# KiCad board Wireless Video Glass.kicad_pcb (continued)
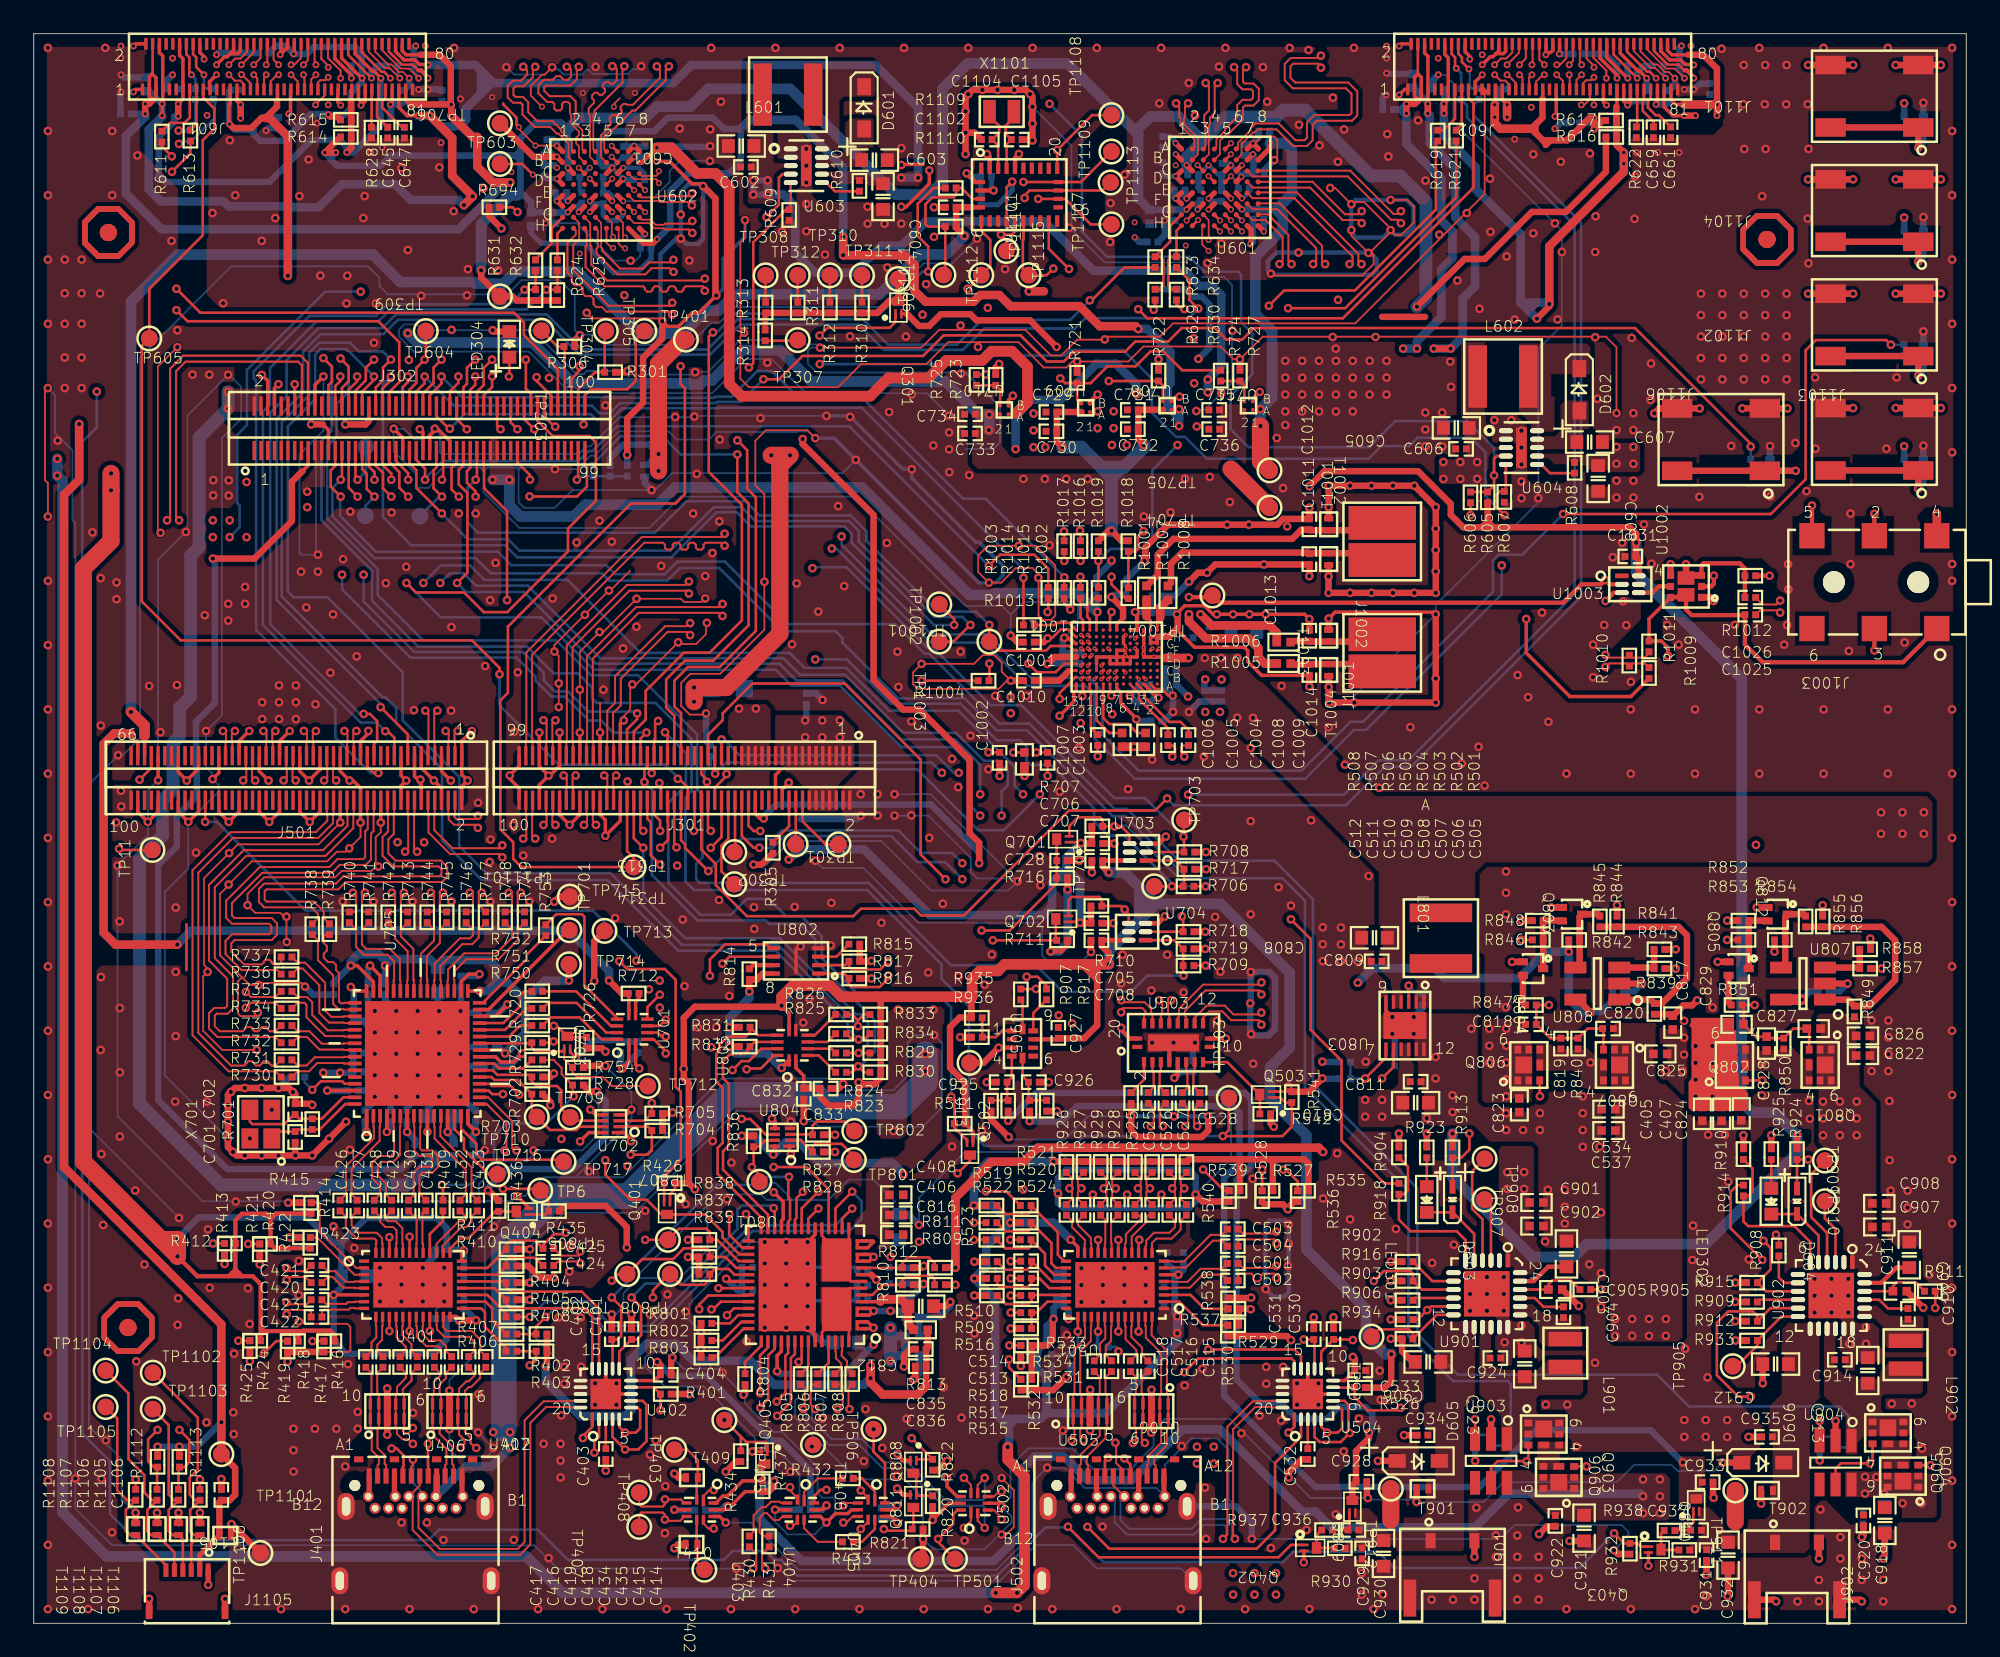
[diagram p0: board, top side]
## Routing (per net, layer and track width the routed paths; a pad name or vN(x,y) marks a point on that pad's centre or on a via; arc(x,y) is an arc through that point) (continued)
LT_VCC33: length 133
  TOP w0.203: U705.33 v1(26.43,37.48) ; v1(17.4,31.58) U705.62 ; U705.25 27.74,33.98 v1(27.94,33.78) ; U705.47 20.13,38.03 19.18,38.99 v1(18.8,38.99) ; v1(20.83,38.99) 20.93,38.88 U705.45 ; U702.8 32.91,29.09 v1(32.38,28.57) ; U701.1 35.28,33.28 v1(34.89,32.89)
  TOP w0.229: U705.16 25.73,29.61 v1(26.21,29.13) ; v1(22.13,29.13) U705.7
  TOP w0.254: v1(60.27,39.83) 60.9,39.83 61.28,40.21 R711.1
  TOP w0.381: R702.2 30.62,32.38 v1(30.84,32.6) ; v1(30.63,30.71) 30.63,30.91 R703.2 ; v1(61.28,43.5) R716.2 ; v1(31.72,38.1) TP714.1
  ART03 w0.508: v1(40.16,34.15) 40.78,33.53 41.6,33.53 42.96,34.89 45.9,34.89 48.12,37.11 50.82,37.11 52.28,38.57 52.28,39.1 52.88,39.7 53.4,39.7 55.74,42.03 58.07,42.03 v1(60.27,39.83) ; v1(26.43,37.48) 26.43,35.73 25.98,35.28 25.98,29.36 v1(26.21,29.13) 25.73,29.13 25.12,29.74 22.75,29.74 v1(22.13,29.13) 21.29,29.97 20.12,29.97 18.51,31.58 v1(17.4,31.58) ; v1(30.84,32.6) 30.46,32.97 28.75,32.97 v1(27.94,33.78)
  ART05 w0.508: v1(30.84,32.6) 30.84,30.92 v1(30.63,30.71) 32.38,28.95 v1(32.38,28.57) 31.92,28.1 31.92,26.57 32.42,26.07 35.15,26.07 40.16,31.07 v1(40.16,34.15)
  ART06 w0.508: v1(32.38,28.57) 32.38,28.95 v1(30.63,30.71) 30.84,30.92 v1(30.84,32.6) 30.84,33.27 32.26,34.7 34.56,34.7 34.89,34.37 v1(34.89,32.89)
  BOTTOM w0.381: v1(17.4,31.58) 17.41,31.57 C715.1 ; C711.1 26.03,28.96 v1(26.21,29.13) 26.19,29.16 C716.1 ; C703.1 35.82,33.82 v1(34.89,32.89) 34.8,32.99 C704.1 ; R714.1 22.61,28.66 v1(22.13,29.13) 22.12,29.14 C712.1 ; v1(27.94,33.78) 27.56,34.16 C710.1 ; C714.1 17.78,37.97 v1(18.8,38.99) ; C713.1 v1(20.83,38.99)
  BOTTOM w0.508: v1(27.94,33.78) 29.13,34.98 29.13,36.93 ; v1(26.43,37.48) 26.9,37.48 27.41,37.99 ; v1(31.72,38.1) 30.3,38.1 29.13,36.93 ; v1(61.28,43.5) 61.28,40.34 60.77,39.83 v1(60.27,39.83) ; 27.41,37.99 28.08,37.99 29.13,36.93 ; 27.41,37.99 27.41,38.91 27,39.32 24.39,39.32 C709.1 23.47,39.37 21.21,39.37 v1(20.83,38.99) 20.83,39.29 20.45,39.67 19.25,39.67 18.8,39.22 v1(18.8,38.99)
MICBIAS1: length 39.1
  TOP w0.152: U1001.C7 64.2,56.48 v2(64.09,56.37)
  TOP w0.203: R1009.2 94.67,54.94 91.06,54.94 88.47,57.53 v1(88.47,59.54)
  GND02 w0.254: v2(64.09,56.37) 64.21,56.37 64.66,56.82
  GND02 w0.305: 64.66,56.82 66.62,56.82 67.36,56.08 69.32,56.08 v1(69.44,55.96)
  ART03 w0.254: v1(88.47,59.54) 88.39,59.54 85.79,56.93 72.94,56.93 72.5,56.49 69.98,56.49 v1(69.44,55.96)
  BOTTOM w0.381: C1028.1 C1027.1 69.39,55.91 v1(69.44,55.96)
MICBIAS2: length 48
  TOP w0.152: U1001.C6 64.6,56.48 v2(64.71,56.37)
  TOP w0.254: R1012.2 v1(102.9,62.1)
  GND02 w0.254: v2(64.71,56.37) 64.99,56.37
  GND02 w0.305: 64.99,56.37 66.24,56.37 67.06,55.55 67.82,55.55 v1(68.43,54.94)
  ART03 w0.254: v1(68.43,54.94) 68.43,55.7 67.67,56.46 67.67,57.73 68.25,58.32 72.18,58.32 72.93,57.57 85.52,57.57 89.11,61.16 99.57,61.16 100.51,62.1 v1(102.9,62.1)
  BOTTOM w0.381: C1030.1 C1029.1 v1(68.43,54.94)
MICDET1/HPOUTFB2: length 65
  TOP w0.152: U1001.B13 61.75,56.08 60.81,55.14 v1(60.81,54.8)
  TOP w0.203: v1(96.88,57.35) 96.88,57.84 96.48,58.23 R1011.1 95.75,59.54 U1002.6
  TOP w0.254: U1002.6 97.04,60.83 97.41,60.83 97.54,60.97 U1002.7 97.94,60.1 98.27,59.77 101.41,59.77 C1025.2 101.43,58.03 102.49,56.97 110.81,56.97 J1003.1
  ART06 w0.203: v1(60.81,54.8) 60.87,54.8 61.91,55.83 64,55.83 65.15,56.99 65.68,56.99 67.69,58.99 92.42,58.99 92.88,58.53 95.7,58.53 v1(96.88,57.35)
MICVDD: length 2.7
  TOP w0.152: U1001.C13 61.41,56.48 61.37,56.44
  TOP w0.381: C1010.1 60.78,55.88 61.34,56.44 61.37,56.44
MIPI_CSI0_CLK_N: length 25.2
  TOP w0.114: v1(22.01,45.75) 22.2,45.93 22.2,47.96 22.17,47.99 J501.18 ; R734.2 14.33,36.79 12.87,36.79 v1(12.57,36.49)
  ART06 w0.114: v1(12.57,36.49) 12.57,36.67 12.46,36.79 11.9,36.79 11.44,37.25 11.44,42.92 12.91,44.39 21.63,44.39 22.2,44.96 22.2,45.56 v1(22.01,45.75)
MIPI_CSI0_CLK_P: length 25.1
  TOP w0.114: J501.16 22.57,47.99 22.54,47.96 22.54,45.93 v1(22.73,45.75) ; v1(12.57,37.43) 12.87,37.13 14.33,37.13 R735.2
  ART06 w0.114: v1(12.57,37.43) 12.57,37.24 12.46,37.13 12.05,37.13 11.79,37.39 11.79,38 11.9,38.12 11.93,38.12 12.04,38.23 12.04,38.46 11.93,38.57 11.9,38.57 11.79,38.69 11.79,38.92 11.9,39.03 11.93,39.03 12.04,39.15 12.04,39.37 11.93,39.49 11.9,39.49 11.79,39.6 11.79,42.78 13.05,44.04 21.77,44.04 22.54,44.82 22.54,45.56 v1(22.73,45.75)
MIPI_CSI0_LANE0_N: length 24
  TOP w0.114: J501.24 20.97,47.99 21,47.96 21,46.93 20.68,46.61 20.68,45.5 21.31,44.87 24,44.87 24.17,44.7 24.17,44.4 24.05,44.28 18.35,44.28 17.92,43.85 13.66,43.85 13.35,43.54 13.35,42.76 13.66,42.44 16.46,42.44 16.85,42.06 16.85,41.8 R738.2
MIPI_CSI0_LANE0_P: length 24
  TOP w0.114: J501.22 21.37,47.99 21.34,47.96 21.34,46.79 21.02,46.47 21.02,45.64 21.45,45.21 24.15,45.21 24.51,44.85 24.51,44.26 24.2,43.94 18.49,43.94 18.06,43.51 13.8,43.51 13.69,43.4 13.69,42.9 13.8,42.79 16.6,42.79 17.19,42.2 17.19,41.8 R739.2
MIPI_CSI0_LANE1_N: length 24.5
  TOP w0.114: R736.2 14.67,38.5 14.44,38.72 12.33,38.72 11.37,39.68 11.37,40.45 11.76,40.84 13.96,40.84 14.08,40.96 14.08,41.35 13.96,41.47 11.76,41.47 11.4,41.82 11.4,42.84 13.4,44.83 17.53,44.83 18,45.3 19.53,45.3 19.65,45.42 19.65,46.95 19.8,47.1 19.8,47.96 19.77,47.99 J501.30
MIPI_CSI0_LANE1_P: length 24.5
  TOP w0.114: J501.28 20.17,47.99 20.14,47.96 20.14,46.96 19.99,46.81 19.99,45.27 19.67,44.96 18.14,44.96 17.67,44.49 13.54,44.49 11.75,42.69 11.75,41.96 11.9,41.81 14.11,41.81 14.42,41.5 14.42,40.82 14.11,40.5 11.9,40.5 11.71,40.31 11.71,39.82 12.47,39.06 13.52,39.06 13.64,39.18 13.64,39.22 13.75,39.33 13.98,39.33 14.09,39.22 14.09,39.18 14.21,39.06 14.55,39.06 14.67,39.18 R737.2
MIPI_CSI0_LANE2_N: length 25.6
  TOP w0.114: J501.36 18.57,47.99 18.6,47.96 18.6,47.28 17.16,45.83 12.45,45.83 10.39,43.77 10.39,39.29 11.47,38.21 11.47,36.59 11.35,36.48 10.7,36.48 10.39,36.17 10.39,35.25 10.89,34.75 14.33,34.75 R732.2
MIPI_CSI0_LANE2_P: length 25.5
  TOP w0.114: R733.2 14.33,35.1 14,35.1 13.88,35.21 13.88,35.24 13.77,35.36 13.54,35.36 13.42,35.24 13.42,35.21 13.31,35.1 13.08,35.1 12.97,35.21 12.97,35.24 12.85,35.36 12.62,35.36 12.51,35.24 12.51,35.21 12.4,35.1 11.03,35.1 10.73,35.39 10.73,36.02 10.85,36.14 11.5,36.14 11.81,36.45 11.81,38.35 10.73,39.43 10.73,43.63 12.59,45.49 17.3,45.49 18.94,47.14 18.94,47.96 18.97,47.99 J501.34
MIPI_CSI0_LANE3_N: length 26.5
  TOP w0.114: R730.2 14.33,32.72 11.55,32.72 9.41,34.86 9.41,44.64 11.67,46.9 16.72,46.9 17.4,47.58 17.4,47.96 17.37,47.99 J501.42
MIPI_CSI0_LANE3_P: length 26.4
  TOP w0.114: R731.2 14.33,33.06 14.09,33.06 13.97,33.18 13.97,33.21 13.86,33.32 13.63,33.32 13.52,33.21 13.52,33.18 13.4,33.06 13.17,33.06 13.06,33.18 13.06,33.21 12.95,33.32 12.72,33.32 12.6,33.21 12.6,33.18 12.49,33.06 11.69,33.06 9.75,35 9.75,44.5 11.81,46.56 16.87,46.56 17.74,47.43 17.74,47.96 17.77,47.99 J501.40
MIPI_CSI1_CLK_N: length 25.5
  TOP w0.114: J501.41 17.37,50.63 17.4,50.6 17.4,50.15 v1(17.21,49.97) ; v1(23.54,43.31) 23.73,43.12 23.73,42.29 23.61,42.17 R744.2
  ART03 w0.114: v1(17.21,49.97) 17.4,49.79 17.4,48.73 17.1,48.44 16,48.44 14.06,46.5 14.06,43.93 14.37,43.62 15.47,43.62 15.8,43.95 15.8,46.18 16.19,46.57 20.02,46.57 21.86,44.73 23.24,44.73 23.72,44.24 23.72,43.49 v1(23.54,43.31)
MIPI_CSI1_CLK_P: length 25.5
  TOP w0.114: J501.39 17.77,50.63 17.74,50.6 17.74,50.15 v1(17.93,49.97) ; R745.2 24.19,42.17 24.07,42.29 24.07,43.13 v1(24.25,43.31)
  ART03 w0.114: v1(24.25,43.31) 24.07,43.49 24.07,44.39 23.38,45.07 22.01,45.07 20.16,46.91 16.05,46.91 15.46,46.32 15.46,44.09 15.33,43.96 14.52,43.96 14.4,44.07 14.4,46.35 16.14,48.09 17.24,48.09 17.74,48.59 17.74,49.79 v1(17.93,49.97)
MIPI_CSI1_LANE0_N: length 23.3
  TOP w0.114: R748.2 28.23,42.17 28.35,42.29 28.35,43.12 v1(28.16,43.31) ; J501.35 18.57,52.24 18.6,52.27 18.6,52.72 v1(18.41,52.9)
  ART03 w0.114: v1(18.41,52.9) 18.6,52.72 18.6,52.45 19.43,51.61 22.54,51.61 22.78,51.38 22.78,51.12 22.54,50.89 21.47,50.89 21.15,50.57 21.15,49.18 21.65,48.68 24.99,48.68 25.1,48.56 25.1,45.92 26.9,44.12 27.96,44.12 28.34,43.74 28.34,43.49 v1(28.16,43.31)
MIPI_CSI1_LANE0_P: length 23.3
  TOP w0.114: R749.2 28.8,42.17 28.69,42.29 28.69,43.13 v1(28.87,43.31) ; J501.33 18.97,52.24 18.94,52.27 18.94,52.72 v1(19.13,52.9)
  ART03 w0.114: v1(19.13,52.9) 18.94,52.72 18.94,52.59 19.57,51.96 22.68,51.96 23.12,51.52 23.12,50.98 22.68,50.55 21.61,50.55 21.49,50.43 21.49,49.32 21.79,49.02 25.13,49.02 25.45,48.71 25.45,46.06 27.04,44.46 28.11,44.46 28.68,43.88 28.68,43.49 v1(28.87,43.31)
MIPI_CSI1_LANE1_N: length 25
  TOP w0.114: J501.45 16.57,52.24 16.54,52.27 16.54,52.72 v1(16.73,52.9) ; R746.2 25.92,42.17 26.04,42.29 26.04,43.12 v1(25.85,43.31)
  ART03 w0.114: v1(25.85,43.31) 25.96,43.31 26.1,43.44 26.1,43.55 25.8,43.85 25.44,43.85 25.32,43.96 25.32,44.32 25.12,44.53 24.8,44.53 24.64,44.7 24.64,45.01 24.47,45.18 24.16,45.18 23.99,45.34 23.99,45.66 23.77,45.88 23.77,47.5 23.6,47.68 21.1,47.68 19.2,49.57 19.2,50.3 18.85,50.65 15.77,50.65 15.46,50.96 15.46,51.84 15.77,52.16 17.19,52.16 17.31,52.27 17.31,53.49 17.19,53.61 16.66,53.61 16.46,53.41 16.46,53.05 16.61,52.9 v1(16.73,52.9)
MIPI_CSI1_LANE1_P: length 25.1
  TOP w0.114: R747.2 26.38,42.58 26.38,43.13 v1(26.56,43.31) ; v1(16.01,52.9) 16.2,52.72 16.2,52.27 16.17,52.24 J501.47
  ART03 w0.114: v1(26.56,43.31) 26.44,43.42 26.44,43.69 24.11,46.02 24.11,47.65 23.74,48.02 21.24,48.02 19.55,49.71 19.55,50.44 18.99,50.99 15.91,50.99 15.8,51.1 15.8,51.7 15.91,51.81 17.33,51.81 17.65,52.13 17.65,53.63 17.33,53.95 16.51,53.95 16.12,53.55 16.12,53 v1(16.01,52.9)
MIPI_CSI1_LANE2_N: length 24.9
  TOP w0.114: v1(21.23,43.31) 21.42,43.12 21.42,42.29 21.31,42.17 R742.2 ; J501.53 14.97,50.63 15,50.6 15,50.15 v1(14.81,49.97)
  ART03 w0.114: v1(21.23,43.31) 21.42,43.49 21.42,43.74 21.3,43.85 20.28,43.85 19.1,45.03 18.07,45.03 17.56,45.54 17.03,45.54 16.78,45.29 16.78,45.05 16.89,44.93 17.23,44.93 17.54,44.62 17.54,44.06 17.23,43.75 16.93,43.75 16.78,43.59 16.78,43.35 15.92,42.49 13.49,42.49 13.09,42.89 13.09,48.75 13.57,49.22 14.86,49.22 15,49.35 15,49.79 v1(14.81,49.97)
MIPI_CSI1_LANE2_P: length 24.9
  TOP w0.114: v1(21.94,43.31) 21.76,43.13 21.76,42.29 21.88,42.17 R743.2 ; v1(15.53,49.97) 15.34,50.15 15.34,50.6 15.37,50.63 J501.51
  ART03 w0.114: v1(15.53,49.97) 15.34,49.79 15.34,49.21 15.01,48.87 13.71,48.87 13.44,48.6 13.44,43.03 13.63,42.84 15.78,42.84 16.43,43.49 16.43,43.74 16.79,44.09 17.08,44.09 17.2,44.21 17.2,44.48 17.08,44.59 16.75,44.59 16.43,44.9 16.43,45.43 16.89,45.89 17.7,45.89 18.21,45.37 19.24,45.37 20.42,44.19 21.44,44.19 21.76,43.88 21.76,43.49 v1(21.94,43.31)
MIPI_CSI1_LANE3_N: length 24.7
  TOP w0.114: J501.59 13.77,52.24 13.8,52.27 13.8,52.72 v1(13.61,52.9) ; R740.2 19,42.17 19.11,42.29 19.11,43.12 v1(18.92,43.31)
  ART03 w0.114: v1(13.61,52.9) 13.8,52.72 13.8,52.59 13.29,52.08 12.98,52.08 11.35,50.45 11.35,48.8 12.08,48.07 12.08,43.56 11.86,43.35 11.86,42.24 13.02,41.08 15.87,41.08 18.55,43.76 18.98,43.76 19.1,43.64 19.1,43.48 v1(18.92,43.31)
MIPI_CSI1_LANE3_P: length 24.7
  TOP w0.114: R741.2 19.57,42.17 19.45,42.29 19.45,43.13 v1(19.63,43.31) ; v1(14.33,52.9) 14.14,52.72 14.14,52.27 14.17,52.24 J501.57
  ART03 w0.114: v1(14.33,52.9) 14.14,52.72 14.14,52.44 13.44,51.74 13.12,51.74 11.69,50.31 11.69,48.94 12.42,48.21 12.42,43.42 12.21,43.21 12.21,42.38 13.16,41.42 15.73,41.42 18.41,44.1 19.13,44.1 19.44,43.79 19.44,43.5 v1(19.63,43.31)
MIPI_DSI0_CLK_N: length 68.9
  TOP w0.114: J301.83 31.97,52.24 31.94,52.27 31.94,57.85 35.31,61.21 38.67,61.21 v1(38.84,61.05)
  TOP w0.152: U601.H4 v4(70.32,82.51)
  ART03 w0.114: v4(70.32,82.51) 70.32,82.61 70.2,82.73 69.57,82.73 69.12,82.28 68.8,82.28 68.68,82.17 68.68,82.16 68.57,82.05 68.34,82.05 68.23,82.16 68.23,82.17 68.11,82.28 66.92,82.28 65.64,81 64.03,81 62.1,79.07 59.92,79.07 58.93,80.06 58.5,80.06 58.39,79.95 58.39,78.51 58.07,78.19 57,78.19 56.69,78.51 56.69,79.95 56.58,80.06 54.88,80.06 53.16,78.33 52.61,78.33 52.2,78.75 51.97,78.75 51.36,78.14 51.36,77.93 51.75,77.54 51.75,77.03 51.34,76.63 50.81,76.63 50.51,76.92 50.35,76.92 50.23,76.8 50.23,69.3 47.83,66.9 47.38,66.9 47.3,66.98 47.14,66.98 46.86,66.7 46.86,66.54 46.94,66.46 46.94,66.01 46.46,65.53 46.02,65.53 45.94,65.62 45.77,65.62 45.49,65.34 45.49,65.17 45.57,65.09 45.57,64.65 45.1,64.17 44.65,64.17 44.57,64.25 44.41,64.25 44.13,63.97 44.13,63.81 44.21,63.73 44.21,63.28 43.73,62.8 43.28,62.8 43.2,62.88 43.04,62.88 42.76,62.6 42.76,62.44 42.84,62.36 42.84,61.92 42.19,61.26 41.72,61.26 41.52,61.06 41.27,61.06 41.06,61.26 38.95,61.26 38.84,61.15 v1(38.84,61.05)
MIPI_DSI0_CLK_P: length 68.9
  TOP w0.114: J301.85 31.57,52.24 31.6,52.27 31.6,57.99 35.16,61.56 38.63,61.56 v1(38.84,61.76)
  TOP w0.152: U601.G4 v4(70.32,83.16)
  ART03 w0.114: v4(70.32,83.16) 70.23,83.07 69.43,83.07 68.98,82.62 66.78,82.62 65.5,81.34 63.89,81.34 61.96,79.41 60.06,79.41 59.07,80.4 58.36,80.4 58.05,80.09 58.05,78.65 57.93,78.53 57.15,78.53 57.03,78.65 57.03,80.09 56.72,80.4 54.74,80.4 53.01,78.68 52.76,78.68 52.34,79.09 51.82,79.09 51.02,78.28 51.02,77.79 51.41,77.4 51.41,77.18 51.2,76.97 50.95,76.97 50.66,77.26 50.21,77.26 49.89,76.94 49.89,69.45 47.69,67.24 47.52,67.24 47.44,67.32 47,67.32 46.52,66.84 46.52,66.4 46.6,66.32 46.6,66.16 46.32,65.88 46.16,65.88 46.08,65.96 45.63,65.96 45.15,65.48 45.15,65.03 45.23,64.95 45.23,64.79 44.95,64.51 44.79,64.51 44.71,64.59 44.27,64.59 43.79,64.11 43.79,63.67 43.87,63.59 43.87,63.42 43.59,63.15 43.43,63.15 43.35,63.23 42.9,63.23 42.42,62.74 42.42,62.3 42.5,62.22 42.5,62.06 42.05,61.61 38.99,61.61 v1(38.84,61.76)
MIPI_DSI0_LANE0_N: length 68.9
  TOP w0.114: v1(33.81,50.26) 34,50.08 34,49.63 33.97,49.6 J301.74
  TOP w0.152: U601.H2 v4(69.02,83.19)
  ART03 w0.089: v4(69.02,83.19) 68.72,83.49 67.85,83.49 67.29,84.05 66.77,84.05
  ART03 w0.102: 66.77,84.05 66.7,84.12 66.67,84.12
  ART03 w0.114: v1(33.81,50.26) 34,50.44 34,54.84 34.31,55.16 37.78,55.16 37.95,55.32 37.95,55.64 37.83,55.76 37.7,55.76 37.39,56.07 37.39,56.59 37.7,56.9 37.83,56.9 37.95,57.02 37.95,57.26 37.29,57.91 37.29,61.92 38.29,62.92 41.22,62.92 48.92,70.61 48.92,77.92 52.51,81.51 59.71,81.51 59.83,81.63 59.83,82.16 60.14,82.47 60.82,82.47 61.14,82.16 61.14,81.51 61.25,81.39 62.47,81.39 62.74,81.66 62.74,82.03 61.64,83.14 61.64,83.58 62.12,84.06 62.56,84.06 63.42,83.2 63.58,83.2 64.5,84.12 66.67,84.12
MIPI_DSI0_LANE0_P: length 68.8
  TOP w0.114: v1(34.53,50.26) 34.34,50.08 34.34,49.63 34.37,49.6 J301.72
  TOP w0.152: v4(68.34,83.16) U601.G2
  ART03 w0.089: v4(68.34,83.16) 68.21,83.3 67.77,83.3 67.23,83.85 66.77,83.85
  ART03 w0.102: 66.77,83.85 66.7,83.78 66.67,83.78
  ART03 w0.114: v1(34.53,50.26) 34.34,50.44 34.34,50.79 34.46,50.9 34.58,50.9 34.7,51.02 34.7,51.25 34.58,51.36 34.46,51.36 34.34,51.48 34.34,51.71 34.46,51.82 34.58,51.82 34.7,51.93 34.7,52.16 34.58,52.28 34.46,52.28 34.34,52.39 34.34,54.7 34.46,54.81 37.92,54.81 38.29,55.18 38.29,55.79 37.98,56.1 37.85,56.1 37.73,56.22 37.73,56.44 37.85,56.56 37.98,56.56 38.29,56.87 38.29,57.4 37.63,58.06 37.63,61.78 38.43,62.57 41.37,62.57 49.27,70.47 49.27,77.78 52.66,81.17 59.86,81.17 60.17,81.49 60.17,82.02 60.28,82.13 60.68,82.13 60.79,82.02 60.79,81.37 61.11,81.05 62.61,81.05 63.08,81.52 63.08,82.17 61.98,83.28 61.98,83.44 62.26,83.72 62.42,83.72 63.28,82.86 63.73,82.86 63.84,82.97 64,82.97 64.01,82.97 64.17,82.97 64.33,83.13 64.33,83.29 64.33,83.3 64.33,83.46 64.64,83.78 65.77,83.78 65.98,83.57 66.23,83.57 66.44,83.78 66.67,83.78
MIPI_DSI0_LANE1_N: length 68.9
  TOP w0.102: v4(69.65,81.36) 69.27,81.74 69.27,82.79 U601.H3
  TOP w0.114: v1(40.83,59.72) 40.64,59.9 35.85,59.9 33.14,57.19 33.14,52.27 33.17,52.24 J301.77
  ART03 w0.114: v1(40.83,59.72) 41.01,59.9 41.31,59.9 41.42,59.79 41.42,59.68 41.53,59.56 41.76,59.56 41.88,59.68 41.88,59.79 41.99,59.9 42.64,59.9 51.26,68.52 51.26,69.62 51.56,69.92 51.56,70.57 51.26,70.87 51.26,71.22 51.56,71.52 51.56,72.17 51.26,72.47 51.26,73.17 51.56,73.48 51.56,74.12 51.26,74.43 51.26,74.93 51.68,75.35 51.84,75.35 52.41,74.77 52.86,74.77 53.22,75.14 53.22,75.58 52.65,76.16 52.65,76.32 52.81,76.48 52.97,76.48 53.55,75.9 53.99,75.9 54.36,76.27 54.36,76.71 53.78,77.29 53.78,77.46 54.41,78.09 55.11,78.09 55.23,77.98 55.23,77.47 55.54,77.15 58.48,77.15 59.44,78.1 61.16,78.1 62.6,76.66 63.43,76.66 63.75,76.97 63.75,79.14 64.55,79.95 66.79,79.95 67.11,80.26 67.11,80.9 67.22,81.02 67.45,81.02 67.56,80.9 67.56,80.26 67.88,79.95 68.65,79.95 69.02,80.32 69.02,81.24 69.29,81.51 69.49,81.51 v4(69.65,81.36)
MIPI_DSI0_LANE1_P: length 69
  TOP w0.102: U601.G3 69.65,83.19 v4(69.65,82.01)
  TOP w0.114: v1(40.83,60.43) 40.64,60.24 35.71,60.24 32.8,57.33 32.8,52.27 32.77,52.24 J301.79
  ART03 w0.114: v4(69.65,82.01) 69.49,81.85 69.15,81.85 68.68,81.38 68.68,80.46 68.5,80.29 68.02,80.29 67.91,80.4 67.91,81.05 67.59,81.36 67.08,81.36 66.76,81.05 66.76,80.4 66.65,80.29 64.41,80.29 63.41,79.28 63.41,77.11 63.29,77 62.75,77 61.3,78.45 59.29,78.45 58.34,77.5 55.68,77.5 55.57,77.61 55.57,78.12 55.26,78.43 54.27,78.43 53.44,77.6 53.44,77.15 54.01,76.57 54.01,76.41 53.85,76.25 53.69,76.25 53.11,76.82 52.67,76.82 52.3,76.46 52.3,76.02 52.88,75.44 52.88,75.28 52.72,75.12 52.56,75.12 51.98,75.69 51.53,75.69 50.91,75.07 50.91,74.29 51.22,73.98 51.22,73.62 50.91,73.31 50.91,72.33 51.22,72.03 51.22,71.66 50.91,71.36 50.91,70.73 51.22,70.43 51.22,70.06 50.91,69.76 50.91,68.66 42.5,60.24 41.01,60.24 v1(40.83,60.43)
MIPI_DSI0_LANE2_N: length 69.3
  TOP w0.114: J301.73 33.97,52.24 34,52.27 34,54.1 34.46,54.56 34.46,56.14 37.43,59.11 38.73,59.11 v1(38.91,59.29)
  TOP w0.152: U601.H5 v4(70.97,82.51)
  ART03 w0.089: v4(70.97,82.51) 71.1,82.38 71.1,81.84 71.03,81.76
  ART03 w0.102: 71.03,81.74 71.03,81.76
  ART03 w0.114: 71.03,81.74 71.03,81.5 70.92,81.39 70.88,81.39 70.76,81.27 70.76,81.05 70.88,80.93 70.92,80.93 71.03,80.82 71.03,80.59 70.92,80.47 70.88,80.47 70.76,80.36 70.76,80.13 70.88,80.02 70.92,80.02 71.03,79.9 71.03,79.5 71.54,78.99 71.54,76.21 71.41,76.09 70.49,76.09 70.37,76.2 70.37,78.6 69.7,79.27 64.94,79.27 64.37,78.7 64.37,75.61 63.99,75.23 62.95,75.23 61.17,77.01 59.26,77.01 58.74,76.49 55.46,76.49 52.51,73.55 52.51,67.45 43.79,58.73 39.47,58.73 v1(38.91,59.29)
MIPI_DSI0_LANE2_P: length 69.4
  TOP w0.114: v1(38.91,58.58) 38.72,58.77 37.57,58.77 34.8,56 34.8,54.42 34.34,53.96 34.34,52.27 34.37,52.24 J301.71
  TOP w0.152: U601.G5 v4(70.97,83.16)
  ART03 w0.089: 71.37,81.76 71.3,81.84 71.3,82.84 v4(70.97,83.16)
  ART03 w0.102: 71.37,81.74 71.37,81.76
  ART03 w0.114: v1(38.91,58.58) 38.94,58.61 39.1,58.61 39.33,58.38 43.93,58.38 52.86,67.31 52.86,73.4 55.6,76.15 58.88,76.15 59.4,76.67 61.02,76.67 62.81,74.88 64.13,74.88 64.71,75.47 64.71,78.56 65.08,78.93 69.56,78.93 70.03,78.45 70.03,76.06 70.35,75.74 71.55,75.74 71.88,76.07 71.88,79.14 71.37,79.65 71.37,81.74
MIPI_DSI0_LANE3_N: length 69.3
  TOP w0.114: J301.97 29.17,52.24 29.2,52.27 29.2,57.55 36.05,64.4 40.76,64.4 v1(40.95,64.59)
  TOP w0.152: U601.H6 v4(71.62,82.51)
  ART03 w0.114: v4(71.62,82.51) 72.62,83.51 72.62,84.86 72.15,85.33 61.91,85.33 59.97,83.4 52.56,83.4 51.52,82.35 51.14,82.35 47.52,78.74 47.52,70.59 41.44,64.5 41.04,64.5 v1(40.95,64.59)
MIPI_DSI0_LANE3_P: length 69.3
  TOP w0.114: J301.95 29.57,52.24 29.54,52.27 29.54,57.41 36.19,64.06 37.3,64.06 37.42,63.94 37.42,63.77 37.53,63.65 37.76,63.65 37.87,63.77 37.87,63.94 37.99,64.06 38.22,64.06 38.33,63.94 38.33,63.77 38.45,63.65 38.67,63.65 38.79,63.77 38.79,63.94 38.9,64.06 39.13,64.06 39.25,63.94 39.25,63.77 39.36,63.65 39.59,63.65 39.7,63.77 39.7,63.94 39.82,64.06 40.78,64.06 v1(40.95,63.88)
  TOP w0.152: U601.G6 v4(71.62,83.16)
  ART03 w0.114: v4(71.62,83.16) 71.78,83.16 72.28,83.65 72.28,84.72 72.01,84.99 62.05,84.99 60.12,83.05 52.7,83.05 51.66,82.01 51.28,82.01 47.87,78.6 47.87,70.45 41.58,64.16 41.12,64.16 40.95,63.99 v1(40.95,63.88)
MIPI_DSI1_CLK_N: length 69
  TOP w0.102: 33.36,81.48 33.36,81.5 33.43,81.57 33.43,82.57 U602.H4
  TOP w0.114: v1(37.92,80.12) 37.71,80.34 36.63,80.34 36.26,79.97 34.61,79.97 33.36,81.22 33.36,81.48 ; v1(30.21,53.53) 30.4,53.35 30.4,52.27 30.37,52.24 J301.91
  ART03 w0.114: v1(37.92,80.12) 38.15,79.89 38.15,79.55 37.91,79.31 37.55,79.31 36.45,78.21 36.45,75.13 36.68,74.9 36.68,73.35 36.99,73.03 40.21,73.03 40.37,72.87 40.37,72.53 40.26,72.41 36.99,72.41 36.68,72.1 36.68,70.86 36.99,70.55 38.21,70.55 38.44,70.32 38.44,67.62 29.41,58.58 20.1,58.58 19.79,58.27 19.79,57.62 20.1,57.3 28.3,57.3 28.51,57.09 28.75,57.09 28.97,57.3 29.29,57.3 29.65,56.94 29.65,56.77 29.62,56.74 29.62,56.58 29.78,56.41 29.94,56.41 29.98,56.45 30.14,56.45 30.31,56.28 30.31,55.72 30.2,55.6 30.16,55.6 30.04,55.49 30.04,55.26 30.16,55.15 30.2,55.15 30.31,55.03 30.31,54.8 30.2,54.69 30.16,54.69 30.04,54.57 30.04,54.35 30.16,54.23 30.2,54.23 30.31,54.12 30.31,53.63 v1(30.21,53.53)
MIPI_DSI1_CLK_P: length 69.1
  TOP w0.102: 33.7,81.48 33.7,81.5 33.63,81.57 33.63,83.02 U602.G4
  TOP w0.114: J301.89 30.77,52.24 30.74,52.27 30.74,53.35 v1(30.93,53.53) ; 33.7,81.48 33.7,81.36 34.75,80.31 36.12,80.31 36.48,80.68 37.77,80.68 v1(37.92,80.83)
  ART03 w0.114: v1(37.92,80.83) 38.49,80.26 38.49,79.41 38.05,78.97 37.7,78.97 36.79,78.06 36.79,75.28 37.02,75.05 37.02,73.49 37.13,73.38 40.35,73.38 40.72,73.01 40.72,72.38 40.4,72.07 37.13,72.07 37.02,71.95 37.02,71.01 37.13,70.89 38.36,70.89 38.79,70.46 38.79,67.48 29.55,58.24 20.24,58.24 20.13,58.13 20.13,57.76 20.24,57.65 29.43,57.65 30.65,56.42 30.65,53.81 v1(30.93,53.53)
MIPI_DSI1_LANE0_N: length 68.5
  TOP w0.102: 32.09,82.28 32.13,82.32 32.13,82.57 U602.H2
  TOP w0.114: 32.09,82.28 31.64,81.83 31.64,80.07 31.89,79.81 31.89,79.65 31.89,79.65 31.89,79.49 32.05,79.33 32.21,79.33 32.22,79.33 32.38,79.33 32.54,79.17 32.54,79.01 32.54,79 32.54,78.84 32.7,78.68 32.86,78.68 32.86,78.68 33.02,78.68 33.19,78.52 33.19,78.36 33.18,78.36 33.18,78.19 33.35,78.03 33.51,78.03 33.51,78.04 33.67,78.04 33.94,77.76 37.66,77.76 v1(37.85,77.58) ; J301.86 31.57,49.6 31.6,49.63 31.6,50.08 v1(31.41,50.26)
  ART03 w0.114: v1(31.41,50.26) 31.58,50.43 31.58,57.12 31.9,57.44 33.98,57.44 34.09,57.55 34.09,57.78 33.98,57.9 31.69,57.9 31.37,58.22 31.37,58.82 31.85,59.3 32.88,59.3 33.21,59.63 33.21,60.24 33.52,60.56 34.04,60.56 34.35,60.24 34.35,59.78 34.47,59.66 34.75,59.66 34.86,59.78 34.86,62.74 39.86,67.74 39.86,69.64 39.54,69.96 39.54,70.95 39.85,71.26 41.12,71.26 41.34,71.49 41.34,71.92 41.65,72.23 42.62,72.23 42.74,72.35 42.74,72.74 42.62,72.85 41.65,72.85 41.34,73.17 41.34,74.09 41.13,74.3 39.81,74.3 39.5,74.62 39.5,75.39 39.81,75.71 42.86,75.71 43.11,75.96 43.11,76.99 42.99,77.11 42.86,77.11 42.55,77.42 42.55,77.94 42.86,78.25 42.99,78.25 43.11,78.36 43.11,79.3 42.96,79.45 42.11,79.45 41.67,79.01 41.67,78.08 41.35,77.76 38.03,77.76 v1(37.85,77.58)
MIPI_DSI1_LANE0_P: length 68.6
  TOP w0.102: U602.G2 32.33,83.02 32.33,82.04
  TOP w0.114: v1(37.85,78.29) 37.66,78.1 34.09,78.1 31.98,80.21 31.98,81.69 32.33,82.04 ; J301.84 31.97,49.6 31.94,49.63 31.94,50.08 v1(32.13,50.26)
  ART03 w0.114: v1(32.13,50.26) 31.93,50.46 31.93,56.98 32.05,57.1 34.12,57.1 34.44,57.41 34.44,57.92 34.12,58.24 31.83,58.24 31.71,58.37 31.71,58.67 31.99,58.96 33.02,58.96 33.55,59.49 33.55,60.1 33.67,60.22 33.9,60.22 34.01,60.1 34.01,59.63 34.33,59.32 34.89,59.32 35.2,59.63 35.2,62.6 40.2,67.59 40.2,69.78 39.88,70.1 39.88,70.81 39.99,70.92 41.26,70.92 41.68,71.34 41.68,71.78 41.8,71.89 42.76,71.89 43.08,72.2 43.08,72.88 42.76,73.2 41.8,73.2 41.68,73.31 41.68,74.23 41.27,74.64 39.96,74.64 39.84,74.76 39.84,75.25 39.96,75.37 43,75.37 43.45,75.81 43.45,77.14 43.13,77.45 43,77.45 42.89,77.56 42.89,77.79 43,77.91 43.13,77.91 43.45,78.22 43.45,79.44 43.1,79.79 41.97,79.79 41.33,79.15 41.33,78.22 41.21,78.1 38.03,78.1 v1(37.85,78.29)
MIPI_DSI1_LANE1_N: length 69.5
  TOP w0.102: 32.71,81.61 32.71,81.64 32.78,81.71 32.78,82.57 U602.H3
  TOP w0.114: v1(39.78,79) 39.78,79.15 39.66,79.26 38.63,79.26 38.52,79.15 38.52,79.06 38.41,78.94 38.18,78.94 38.06,79.06 38.06,79.15 37.95,79.26 37.72,79.26 37.61,79.15 37.61,79.06 37.49,78.94 37.26,78.94 37.15,79.06 37.15,79.15 37.03,79.26 36.81,79.26 36.69,79.15 36.69,79.06 36.58,78.94 36.35,78.94 36.23,79.06 36.23,79.15 36.12,79.26 33.85,79.26 32.71,80.4 32.71,81.61 ; v1(33.33,47.33) 33.14,47.51 33.14,47.96 33.17,47.99 J301.78
  ART03 w0.114: v1(33.33,47.33) 33.14,47.14 33.14,46.32 33.35,46.11 33.35,45.86 33.14,45.65 33.14,45.41 33.35,45.2 33.35,44.95 33.14,44.74 33.14,44.49 33.35,44.28 33.35,44.03 33.14,43.83 33.14,42.91 33.34,42.71 34.81,42.71 34.94,42.84 34.94,45.07 34.51,45.5 34.51,47.53 32.8,49.23 32.8,55.93 33.43,56.55 35.65,56.55 36.25,57.16 36.25,62.89 37.73,64.36 38.4,64.36 42.52,68.47 42.52,70.01 44.08,71.58 44.08,80.12 43.56,80.64 41.81,80.64 40.35,79.18 39.96,79.18 v1(39.78,79)
MIPI_DSI1_LANE1_P: length 69.6
  TOP w0.102: 33.05,81.61 33.05,81.64 32.98,81.71 32.98,83.02 U602.G3
  TOP w0.114: v1(39.78,79.71) 39.67,79.6 33.99,79.6 33.05,80.54 33.05,81.61 ; J301.80 32.77,47.99 32.8,47.96 32.8,47.51 v1(32.61,47.33)
  ART03 w0.114: v1(39.78,79.71) 39.96,79.53 40.21,79.53 41.67,80.99 43.7,80.99 44.42,80.27 44.42,71.43 42.86,69.87 42.86,68.33 38.55,64.02 37.87,64.02 36.6,62.74 36.6,57.02 35.79,56.21 33.57,56.21 33.15,55.78 33.15,49.38 34.85,47.67 34.85,45.64 35.28,45.21 35.28,42.7 34.95,42.37 33.2,42.37 32.8,42.76 32.8,47.14 v1(32.61,47.33)
